# KiCad board helixloop.kicad_pcb (continued)
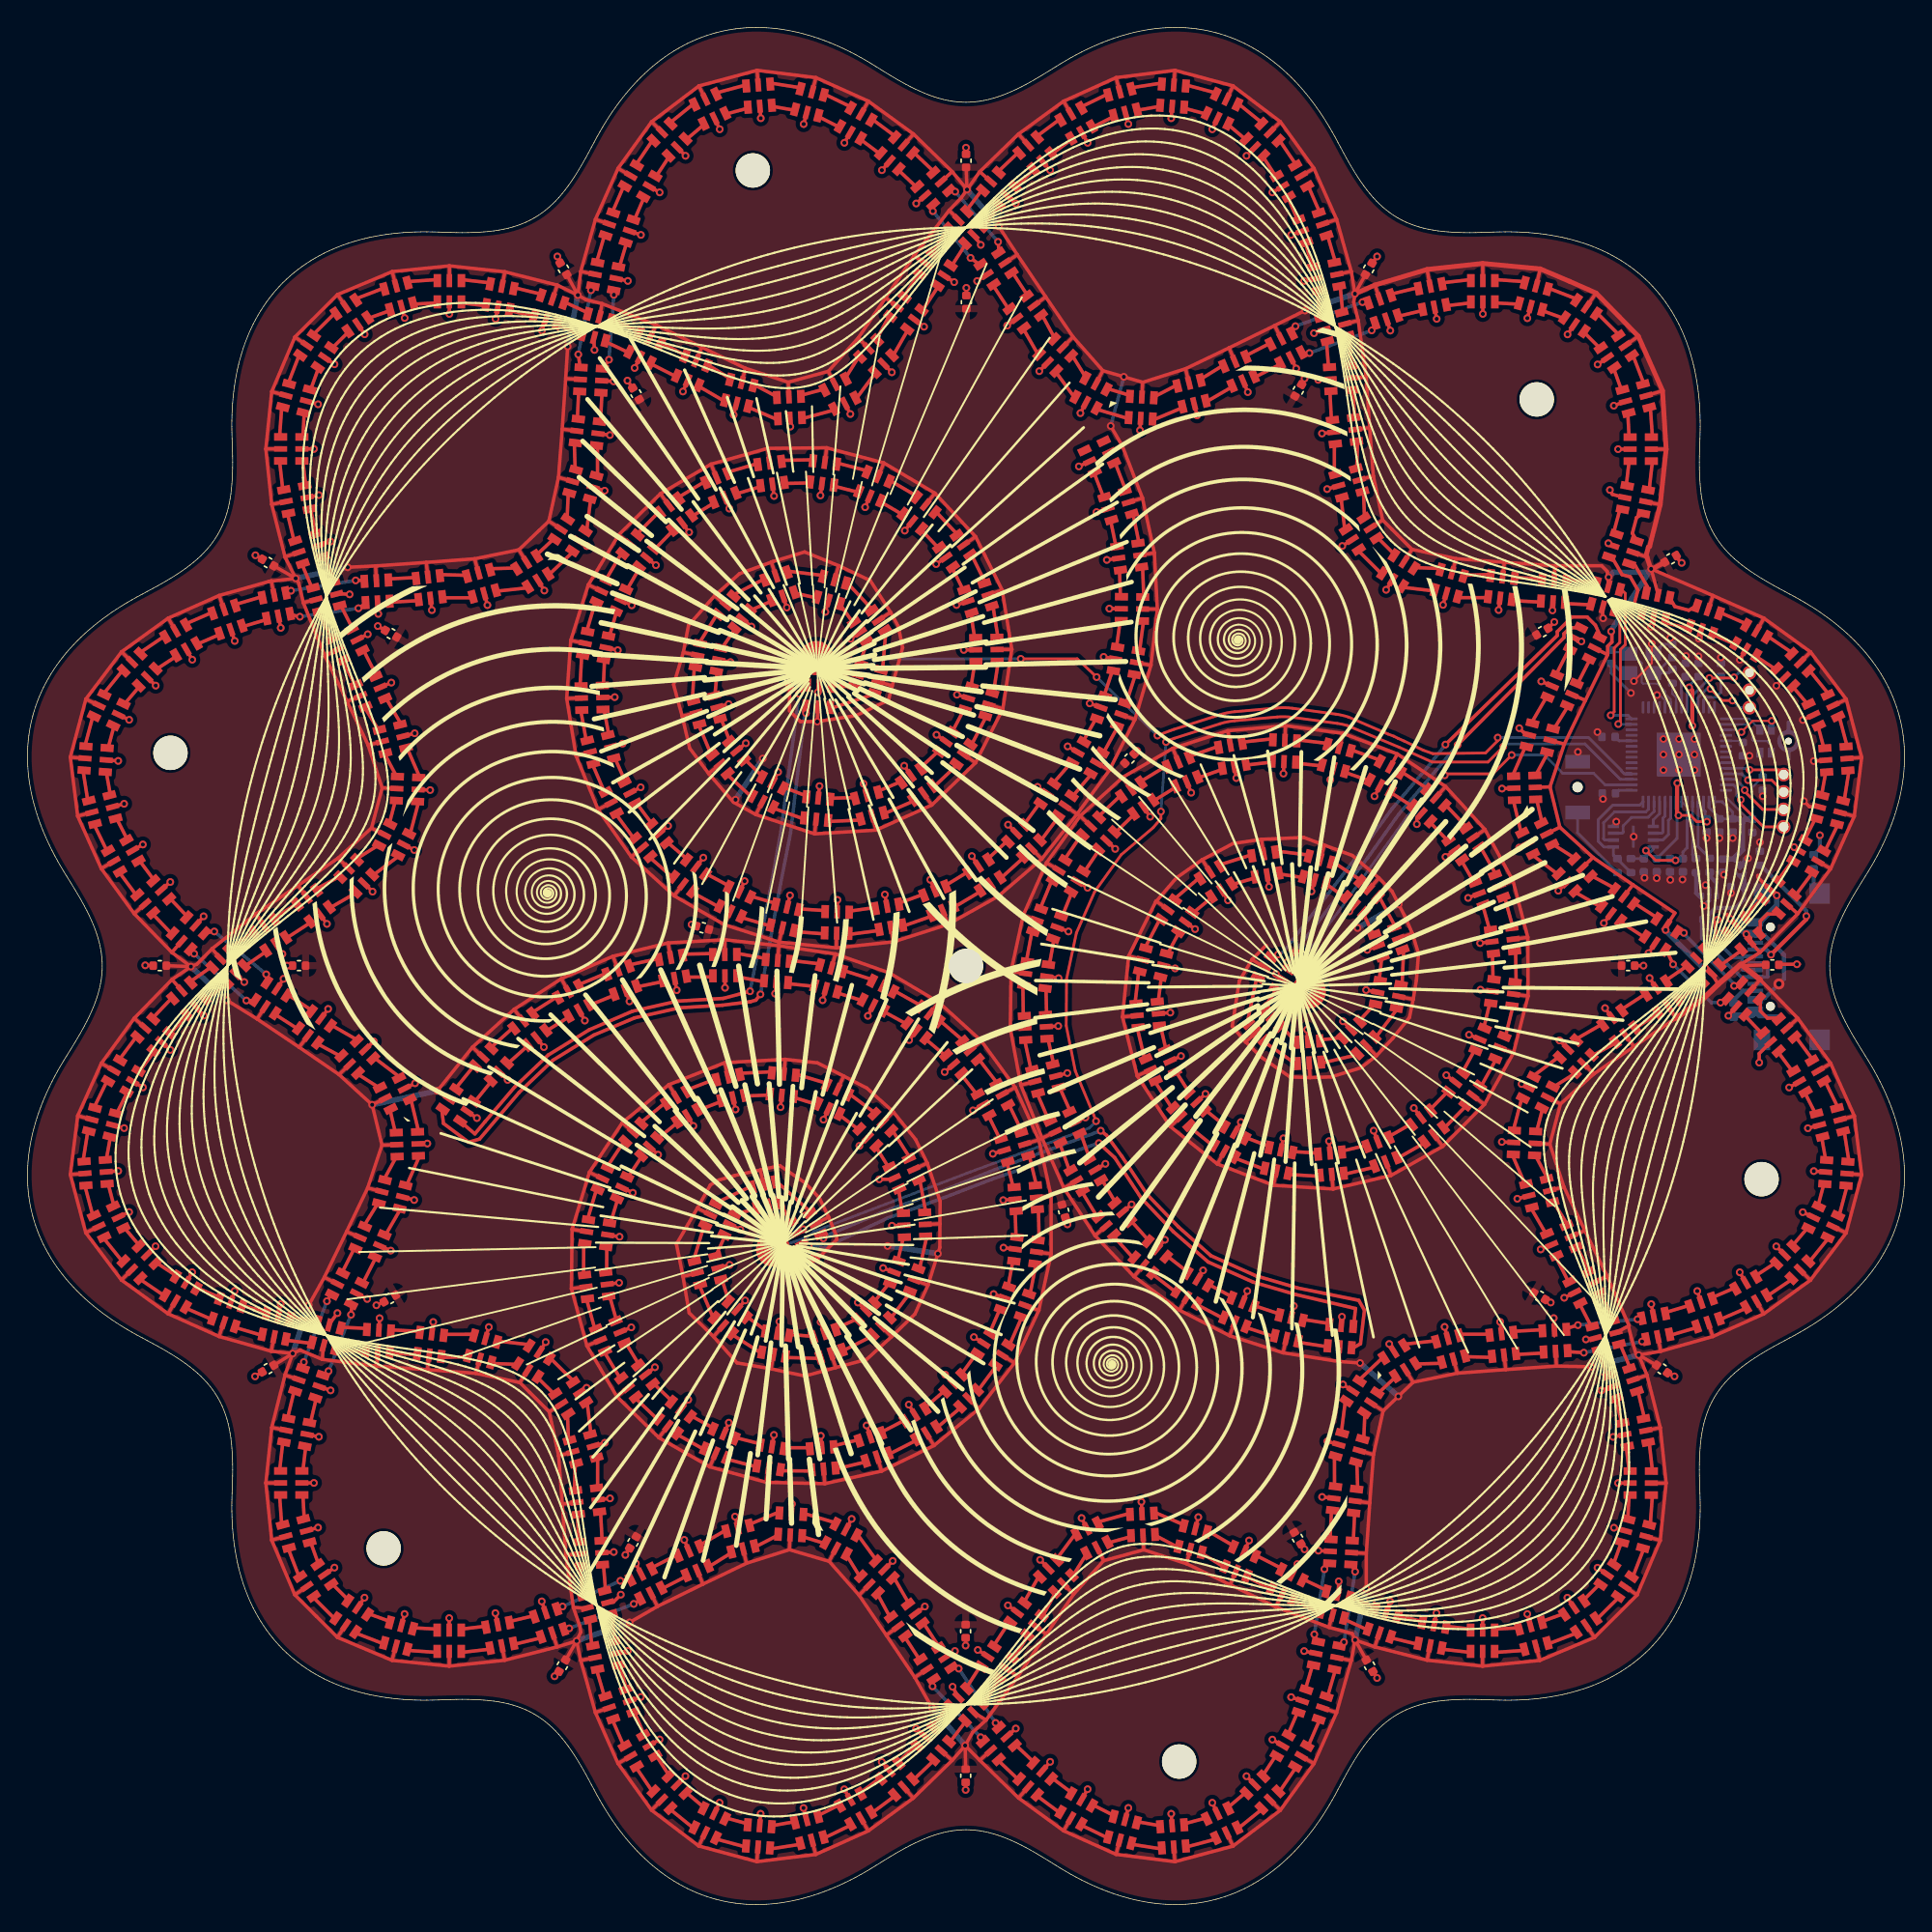
[diagram p0: board, top side]
## Routing (per net, layer and track width the routed paths; a pad name or vN(x,y) marks a point on that pad's centre or on a via; arc(x,y) is an arc through that point) (continued)
Net-(D355-SDO): length 1.8
  Top w0.25: 52.72,73.45 54.49,72.94
Net-(D356-CKO): length 2.2
  Top w0.25: 55.86,70.88 58.05,70.71
Net-(D356-SDO): length 1.8
  Top w0.25: 56.24,72.53 58.09,72.41
Net-(D357-CKO): length 2.2
  Top w0.25: 59.85,70.67 62.03,70.96
Net-(D357-SDO): length 1.9
  Top w0.25: 59.89,72.37 61.72,72.63
Net-(D358-CKO): length 2.2
  Top w0.25: 63.8,71.28 65.87,72
Net-(D358-SDO): length 1.9
  Top w0.25: 63.49,72.95 65.23,73.58
Net-(D359-CKO): length 2.2
  Top w0.25: 67.54,72.68 69.42,73.8
Net-(D359-SDO): length 1.9
  Top w0.25: 66.9,74.25 68.49,75.22
Net-(D360-CKO): length 2.2
  Top w0.25: 70.92,74.78 72.55,76.25
Net-(D360-SDO): length 1.9
  Top w0.25: 69.99,76.2 71.35,77.46
Net-(D361-CKO): length 2.2
  Top w0.25: 73.83,77.51 75.13,79.27
Net-(D361-SDO): length 1.9
  Top w0.25: 72.64,78.73 73.73,80.23
Net-(D362-CKO): length 2.1
  Top w0.25: 76.15,80.75 77.5,82.35
Net-(D362-SDO): length 2
  Top w0.25: 74.75,81.71 76.03,83.19
Net-(D363-CKO): length 2.2
  Top w0.25: 78.39,83.91 79.44,85.82
Net-(D363-SDO): length 1.9
  Top w0.25: 76.92,84.76 77.83,86.39
Net-(D364-CKO): length 2.2
  Top w0.25: 80.04,87.51 80.71,89.57
Net-(D364-SDO): length 1.9
  Top w0.25: 78.44,88.08 79.03,89.87
Net-(D365-CKO): length 2.2
  Top w0.25: 81.02,91.34 81.3,93.48
Net-(D365-SDO): length 1.9
  Top w0.25: 79.34,91.64 79.6,93.5
Net-(D366-CKO): length 2.2
  Top w0.25: 81.32,95.28 81.24,97.43
Net-(D366-SDO): length 1.9
  Top w0.25: 79.62,95.3 79.56,97.18
Net-(D367-CKO): length 2.1
  Top w0.25: 80.98,99.21 80.54,101.31
Net-(D367-SDO): length 1.9
  Top w0.25: 79.29,98.96 78.91,100.81
Net-(D368-CKO): length 2.1
  Top w0.25: 80.01,103.03 79.24,105.03
Net-(D368-SDO): length 1.9
  Top w0.25: 78.38,102.53 77.7,104.3
Net-(J6-CC1): length 10.3
  Top w0.3: v1(127.01,69.2) 129.59,71.77 v1(129.59,72.01)
  Bottom w0.3: v1(129.59,72.01) 129.59,72.38 126.26,75.71 R6.2 ; v1(127.01,69.2) 127.02,69.2 127.02,69.21 126.66,69.57 J6.A5
Net-(J6-CC2): length 2.1
  Bottom w0.3: J6.B5 124.98,66.57 124.3,65.9 R7.2
Net-(J6-SHIELD): length 2
  Bottom w0.3: R13.2 130.12,74.09 J6.S1
Net-(J9-Pin_1): length 4.4
  Top w0.2: v1(125.45,82.66) 127.59,82.66 J9.1
  Bottom w0.2: v1(125.45,82.66) 125.34,82.78 U7.38
Net-(J9-Pin_2): length 4.7
  Top w0.2: v1(125.34,81.91) 127.07,81.91 J9.2
  Bottom w0.2: v1(125.34,81.91) 124.88,82.38 U7.39
Net-(J9-Pin_3): length 5.2
  Top w0.2: J9.3 126.41,79.78 125.1,81.09 v1(125.1,81.19)
  Bottom w0.2: U7.40 124.44,81.98 125.1,81.31 v1(125.1,81.19)
Net-(J9-Pin_4): length 6
  Top w0.2: v1(124.81,80.48) 124.81,80.16 126.47,78.51 J9.4
  Bottom w0.2: v1(124.81,80.48) 124.52,80.77 124.52,81.32 124.27,81.58 U7.41
Net-(U7-GPIO0): length 34.6
  Top w0.2: v1(103.25,82.26) 103.35,82.37 106.75,82.37 v1(108.12,83.74)
  Bottom w0.2: v1(93.34,66.52) 92.68,68.6 95.52,72.36 100.5,79.27 v1(103.25,82.26) ; U7.2 114.93,81.58 114.09,82.42 111.83,82.42 110.51,83.74 v1(108.12,83.74)
Net-(U7-GPIO1): length 92
  Top w0.2: v1(82.94,84.69) 83.13,84.81 83.23,84.85 arc(83.39,84.91) 83.55,84.96 86.88,86.02 arc(87.41,86.16) 87.95,86.24 91.04,86.51 arc(91.6,86.53) 92.16,86.49 95.41,86.05 arc(95.79,85.98) 96.16,85.89 99.94,84.3 102.33,83.23 106.4,83.23 v1(107.51,84.35) ; v1(77.85,57.07) 77.69,57.48 76.33,60.73 75.67,64.03 75.7,67.43 76.42,70.79 77.74,73.78 79.68,76.48 82.01,78.46 82.57,79.12 v1(82.57,79.62)
  Bottom w0.2: v1(77.85,57.07) 77.34,56.56 68.7,53.37 57.32,49.04 56.76,48.59 v1(54.33,47.77) ; v1(107.51,84.35) 107.72,84.55 113.46,84.55 116.03,81.98 U7.3 ; v1(82.57,79.62) v1(82.94,84.69)
Net-(U7-GPIO2): length 64.7
  Top w0.2: v1(72.36,90.75) 76.47,90.75 v1(77.89,89.42) ; v1(107.11,85.01) 107.11,84.78 106.22,83.89 102.38,83.84 101.67,84.1 100.3,84.76 99.84,84.96 99.54,85.11 99.13,85.26 96.24,86.51 arc(95.78,86.63) 95.32,86.72 92.16,87.15 arc(91.6,87.19) 91.04,87.17 87.95,86.9 arc(87.41,86.82) 86.88,86.68 83.52,85.61 83.26,85.52 v1(82.32,85.16)
  Bottom w0.2: TP3.1 57.53,90.75 v1(72.36,90.75) ; v1(82.32,85.16) v1(77.89,89.42) ; v1(107.11,85.01) 113.73,85.01 116.12,82.62 116.12,82.58 116.33,82.38 U7.4 116.43,82.38
  vias: v1(57.37,90.75)
Net-(U7-USB_DM): length 4.5
  Bottom w0.2: U7.46 121.7,77.07 R9.2
Net-(U7-USB_DP): length 4.2
  Bottom w0.2: U7.47 121.3,76.46 R8.2
Net-(U7-XIN): length 7.4
  Bottom w0.15: 116.67,91.12 Y6.1 ; Y6.1 116.92,91.12 117.6,90.44 117.6,89.05 117.7,88.94 118.74,88.94 119.32,88.36 119.32,88.19 119.7,87.81 U7.20 ; Y6.1 116.58,91.23 115.51,91.23 C30.1
Net-(U7-XOUT): length 1.9
  Bottom w0.15: U7.21 120.1,87.93 119.83,88.2 R15.1

## Copper pours and planes (outline as drawn; the poured copper is in the pictures)
+1V1 on Bottom: 122.49,81.6 118.14,81.63 118.14,86.03 122.49,86
+3V3 on Bottom: 123.36,81.07 123.03,80.69 117.42,80.69 117.17,80.89 117.17,86.89 123.44,86.89
+5V on Top: 119.52,119.27 138.27,87.34 138.47,49.8 121.02,18 86.55,-1.66 50.18,-1.28 16.4,17.72 -1.15,49.7 -1.66,86.81 16.93,118.97 49.85,137.94 85.99,138.57
GND on Top: 122.12,68.4 127.57,73.4 131.3,79.76 130.83,87.01 125.57,92.11 118.62,94.62 114.96,95.27 111.8,88.46 109.17,81.36 112.71,75 119,70.69
GND on Bottom: 119.53,119.27 138.27,87.35 138.48,49.81 121.03,18 86.56,-1.66 50.19,-1.27 16.4,17.73 -1.15,49.7 -1.66,86.81 16.94,118.97 49.86,137.94 86,138.58

## Text on the board
B.Silkscreen: G | CK | SW | 26 | 27 | 28 | 29 | USB
